# Altium PCB 4th_main.PcbDoc (part 1 of 3)
Units mm, origin at the board's own origin, x right, y up, seen from the top; angles counter-clockwise.
Board outline 130 x 106.5 mm, 2 copper layers (Top Layer, Bottom Layer); 288 components, 276 nets, 1062 pads, 448 vias.
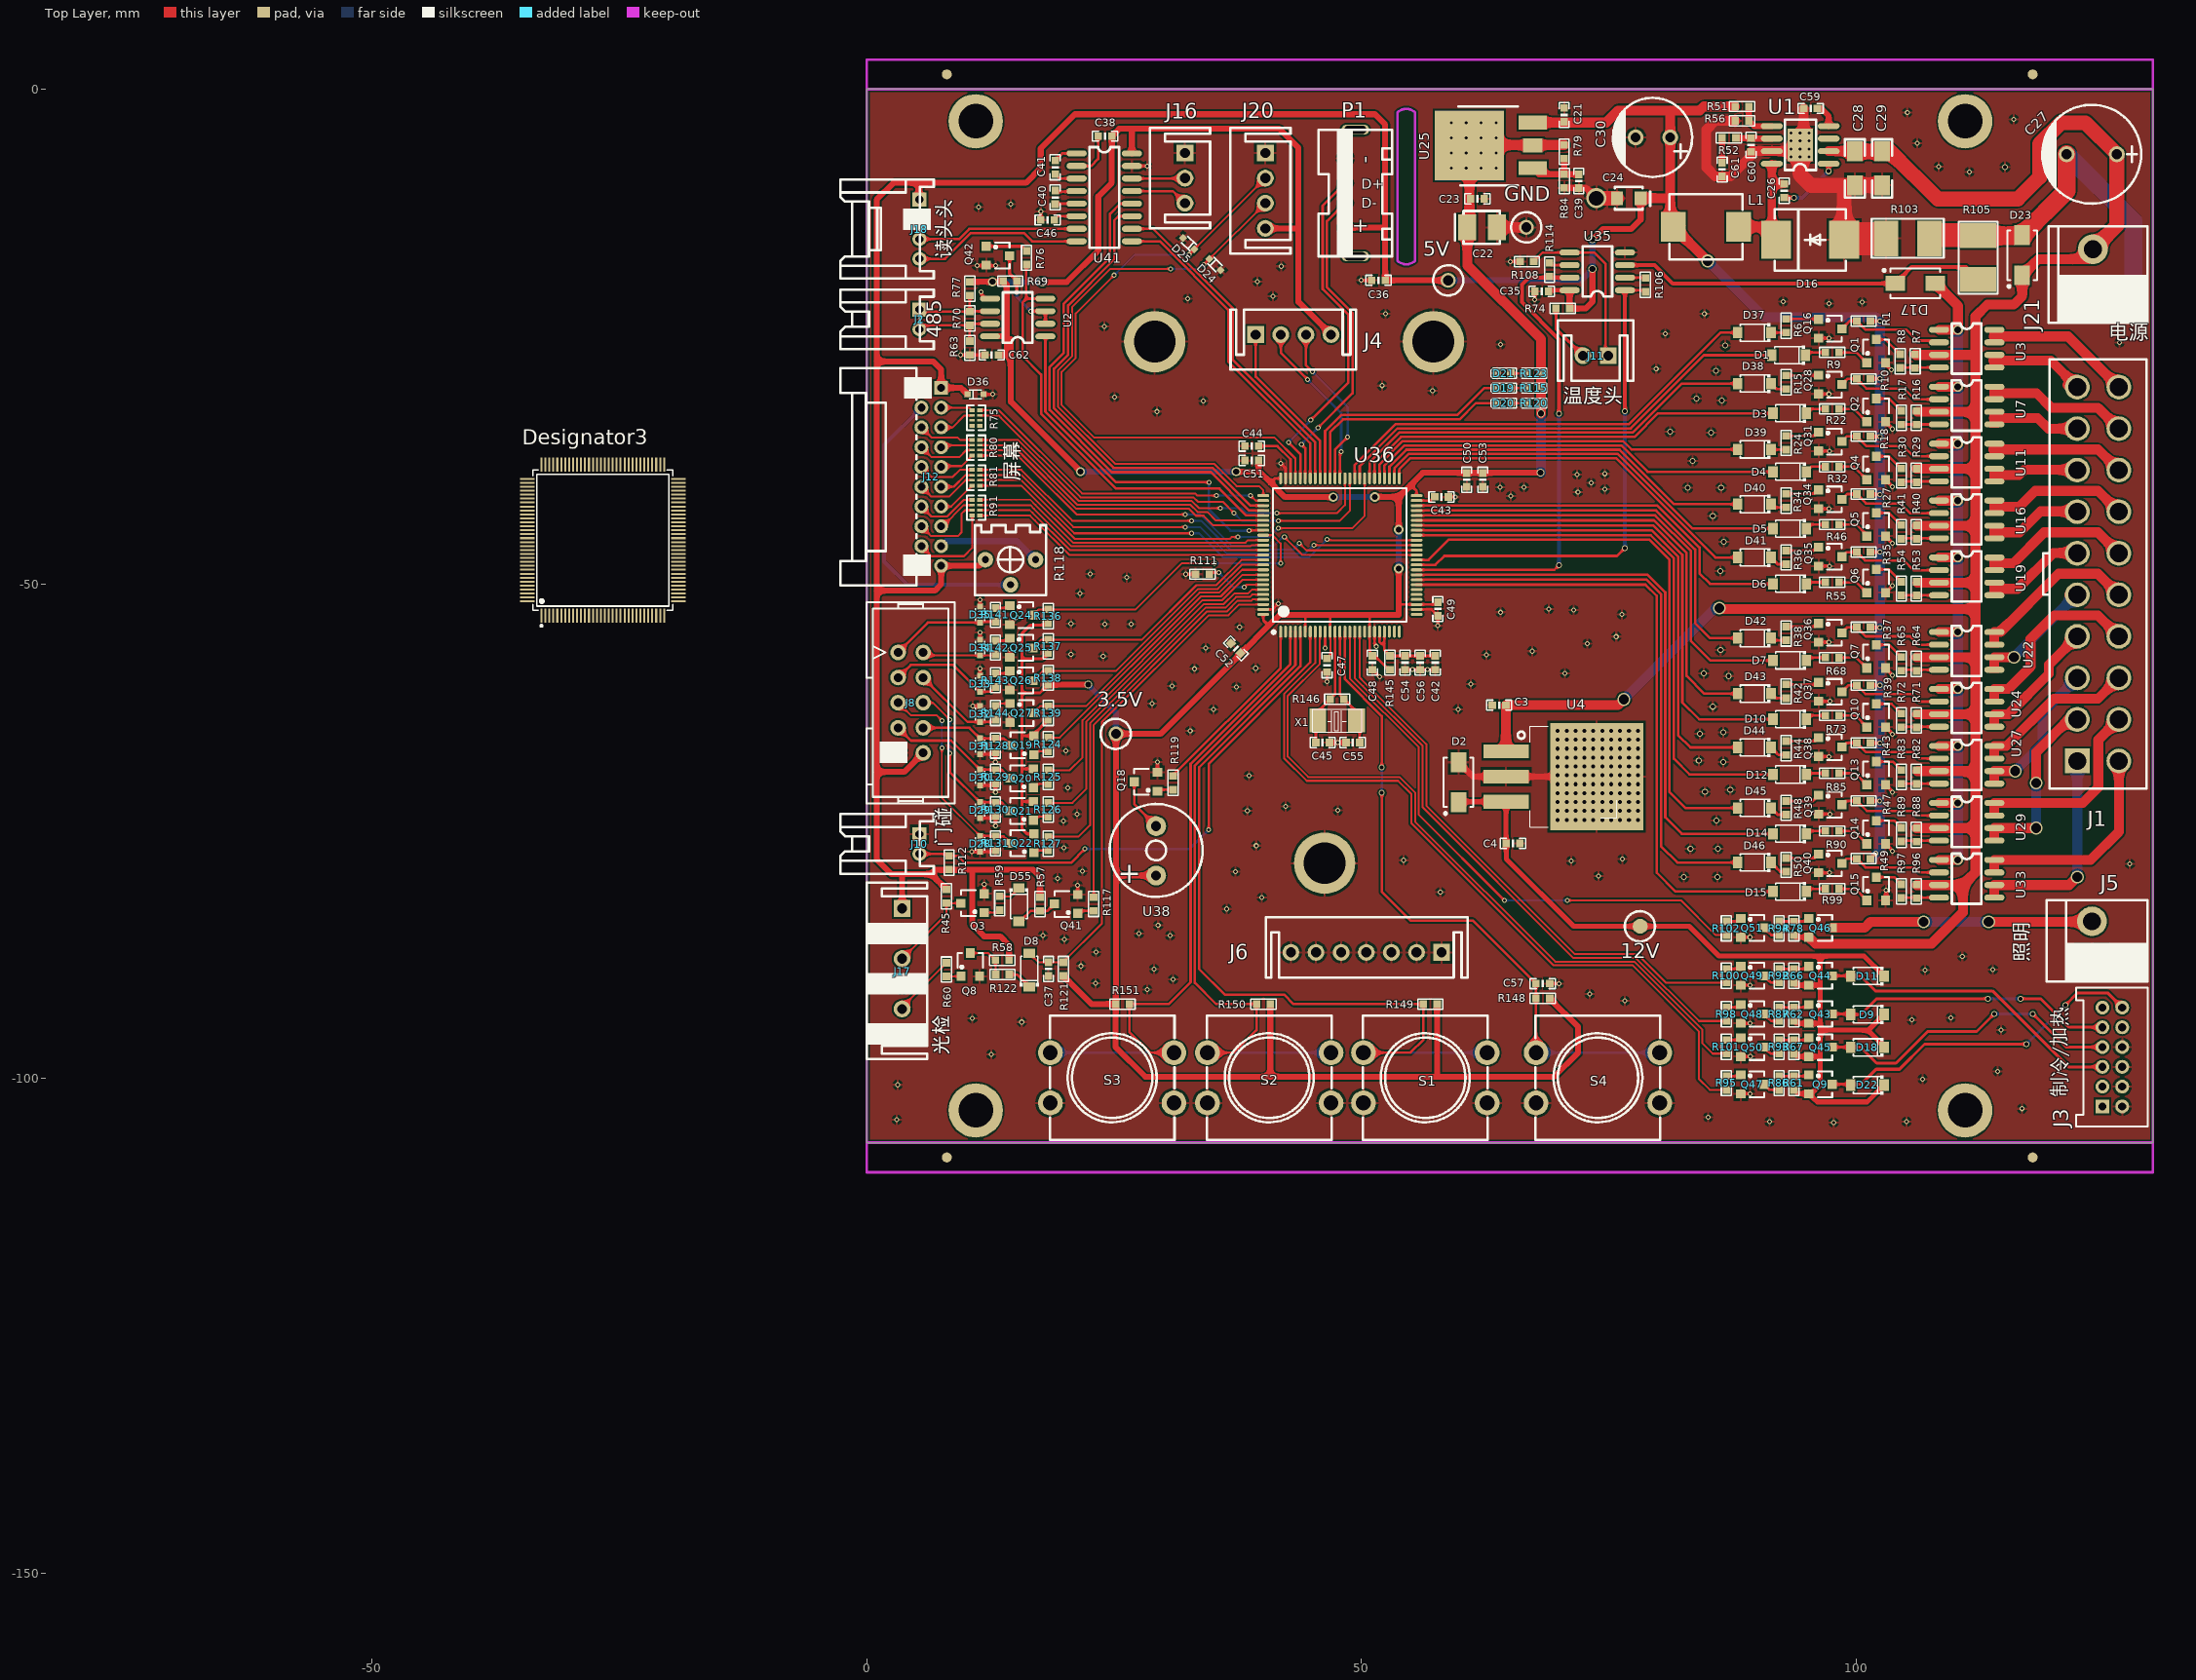
[diagram p0: Top Layer view]
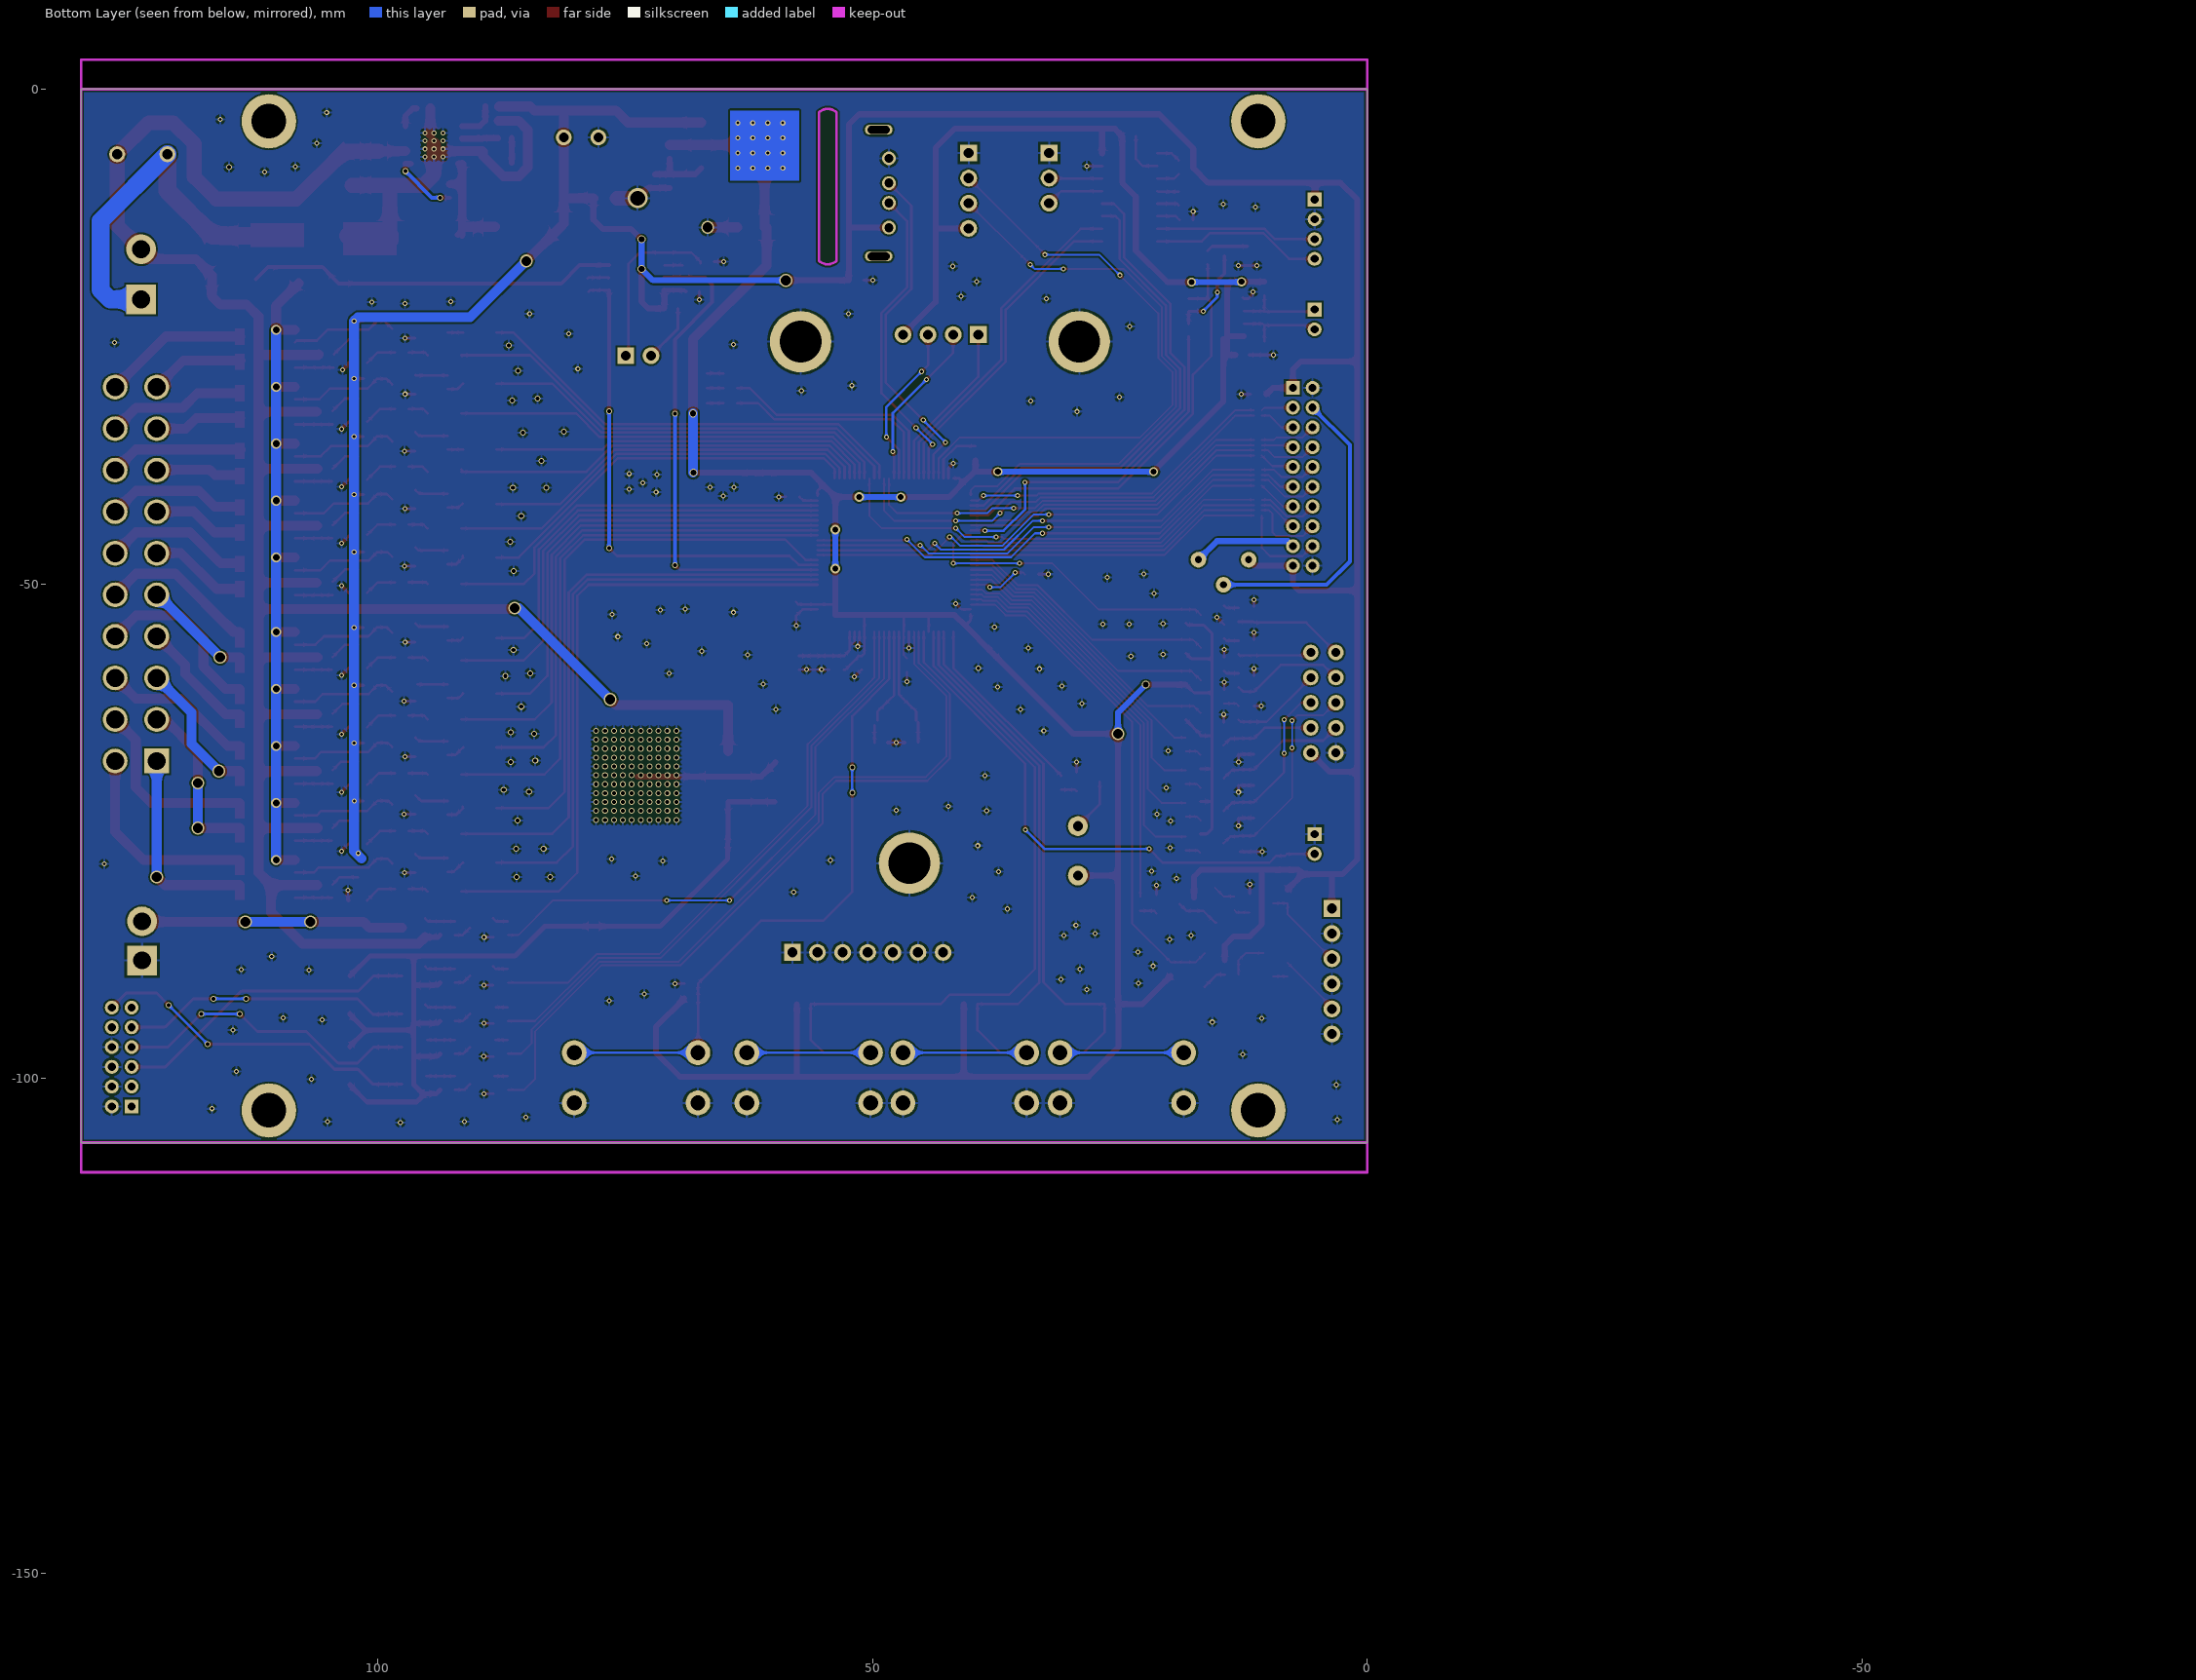
[diagram p1: Bottom Layer view, seen from below]

## Layer stack, top to bottom
Top Solder: solder mask 0.0102, Solder Resist, Dk 3.5
Top Layer: signal copper 0.0356
Dielectric 1: dielectric 0.32, FR-4, Dk 4.8
Bottom Layer: signal copper 0.0356
Bottom Solder: solder mask 0.0102, Solder Resist, Dk 3.5

## Board outline
0,-106.502 0,0 130,0 130,-106.502

## Design rules (kind name [scope] priority, off if disabled: settings)
Clearance [All] p1: gap=0.178
PolygonConnect [All] p1: connectstyle=Relief reliefconductorwidth=0.254 reliefentries=4 polygonreliefangle="90 Angle" airgapwidth=0.254
RoutingVias [All] p1: holewidth=0.3 width=0.5 viastyle="Through Hole" minholewidth=0.3 minwidth=0.5 maxholewidth=1.5 maxwidth=2
SolderMaskExpansion [All] p1: expansion=0.102
Width [All] p1: maxlimit=2.5 minlimit=0.178 preferedwidth=0.254
30 further rules are at their usual default settings.

## Components (designator, comment, footprint, x,y, rotation, side; value= is the part's Value field where it differs from the comment)
C3 "0.33UF/50V" 0603_C 63.906,-62.281 r180 top
C4 "100NF/50V" 0603_C 65.303,-76.251 r0 top
C21 "100NF/50V" 0603_C 70.479,-2.608 r90 top
C22 "150UF/6.3V" CASE-B_3528 60.681,-13.97 r180 top
C23 "100NF/50V" 0603_C 61.697,-11.074 r0 top
C24 "10UF/6.3V" CASE-A_3216 78.207,-11.024 r180 top
C26 "100NF/50V" 0603_C 92.719,-10.281 r90 top
C27 "470UF/35V" CAP-TH_BD10.0-P5.00-D1.0-FD 123.8,-6.579 r180 top
C28 "10UF/50V" 1206_C 99.856,-9.722 r90 top
C29 "10UF/50V" 1206_C 102.625,-9.722 r90 top
C30 "330UF/16V" CAP-TH_BD8.0-P3.50-D1.0-FD 79.451,-4.877 r180 top
C35 "100NF/50V" 0603_C 68.199,-20.447 r0 top
C36 "100NF/50V" 0603_C 51.703,-19.329 r180 top
C37 "100NF/50V" 0603_C 18.353,-88.951 r270 top
C38 "100NF/50V" 0603_C 24.068,-4.75 r180 top
C39 "5NF/50V" 0603_C 71.958,-9.296 r270 top
C40 "100NF/50V" 0603_C 19.036,-7.894 r270 top
C41 "100NF/50V" 0603_C 19.033,-10.942 r90 top
C42 "2.2uf/6.3V" 0603_C 57.438,-57.982 r270 top
C43 "2.2uf/6.3V" 0603_C 58.073,-41.218 r0 top
C44 "2.2uf/6.3V" 0603_C 38.902,-36.093 r180 top
C45 "22PF/50V" 0603_C 46.059,-66.06 r0 top
C46 "100NF/50V" 0603_C 18.271,-13.228 r180 top
C47 "100NF/50V" 0603_C 46.516,-58.236 r270 top
C48 "100NF/50V" 0603_C 51.088,-57.982 r270 top
C49 "100NF/50V" 0603_C 57.709,-52.553 r270 top
C50 "100NF/50V" 0603_C 60.63,-39.498 r270 top
C51 "100NF/50V" 0603_C 38.902,-37.541 r180 top
C52 "100NF/50V" 0603_C 37.287,-56.54 r135 top
C53 "4.7UF/10V" 0603_C 62.246,-39.498 r270 top
C54 "10NF/50V" 0603_C 54.39,-57.982 r270 top
C55 "22PF/50V" 0603_C 49.107,-66.06 r0 top
C56 "1UF/50V" 0603_C 55.914,-57.982 r270 top
C57 "10UF/6.3V" 0603_C 68.315,-90.424 r0 top
C59 "8.2NF/50V" 0603_C 95.386,-1.95 r180 top
C60 "10PF/50V" 0603_C 89.366,-5.633 r270 top
C61 "1NF/50V" 0603_C 86.445,-8.122 r270 top
C62 "100NF/50V" 0603_C 12.613,-26.873 r0 top
D1 "1N4148" SOD-123_L2.8-W1.8-LS3.7-RD 93.167,-26.899 r180 top
D2 "SMAJ12A" SMA/DO214AC#1 58.699,-69.774 r270 top
D3 "1N4148" SOD-123_L2.8-W1.8-LS3.7-RD 93.269,-32.766 r180 top
D4 "1N4148" SOD-123_L2.8-W1.8-LS3.7-RD 93.269,-38.684 r180 top
D5 "1N4148" SOD-123_L2.8-W1.8-LS3.7-RD 93.269,-44.425 r180 top
D6 "1N4148" SOD-123_L2.8-W1.8-LS3.7-RD 93.269,-50.013 r180 top
D7 "1N4148" SOD-123_L2.8-W1.8-LS3.7-RD 93.269,-57.754 r180 top
D8 "1N4148" SOD-123_L2.8-W1.8-LS3.7-RD 16.408,-89.052 r90 top
D9 "1N4148" SOD-123_L2.8-W1.8-LS3.7-RD 101.117,-93.548 r180 top
D10 "1N4148" SOD-123_L2.8-W1.8-LS3.7-RD 93.269,-63.697 r180 top
D11 "1N4148" SOD-123_L2.8-W1.8-LS3.7-RD 101.117,-89.662 r180 top
D12 "1N4148" SOD-123_L2.8-W1.8-LS3.7-RD 93.269,-69.285 r180 top
D14 "1N4148" SOD-123_L2.8-W1.8-LS3.7-RD 93.269,-75.28 r180 top
D15 "1N4148" SOD-123_L2.8-W1.8-LS3.7-RD 93.269,-81.122 r180 top
D16 "SK104" SMC/DO214AB 95.335,-15.234 r180 top
D17 "SS54" SMA/DO214AC#2 105.969,-19.634 r0 top
D18 "1N4148" SOD-123_L2.8-W1.8-LS3.7-RD 101.117,-96.876 r180 top
D19 "LED-蓝色" 0603_D 64.396,-30.225 r180 top
D20 "LED-黄色" 0603_D 64.396,-31.749 r180 top
D21 "LED-红色" 0603_D 64.396,-28.727 r180 top
D22 "1N4148" SOD-123_L2.8-W1.8-LS3.7-RD 101.117,-100.686 r180 top
D23 "SMAJ24A" SMA/DO214AC#2 116.764,-16.789 r90 top
D24 "PESDNC5D5VB" SOD-523 35.179,-17.729 r315 top
D25 "PESDNC5D5VB" SOD-523 32.537,-15.621 r135 top
D28 "PESDNC5D5VB" SOD-523 11.439,-76.296 r270 top
D29 "PESDNC5D5VB" SOD-523 11.439,-72.892 r270 top
D30 "PESDNC5D5VB" SOD-523 11.439,-69.59 r270 top
D31 "PESDNC5D5VB" SOD-523 11.439,-66.441 r270 top
D32 "PESDNC5D5VB" SOD-523 11.439,-63.164 r90 top
D33 "PESDNC5D5VB" SOD-523 11.439,-60.116 r90 top
D34 "PESDNC5D5VB" SOD-523 11.439,-56.458 r90 top
D35 "PESDNC5D5VB" SOD-523 11.439,-53.131 r90 top
D36 "PESDNC5D5VB" SOD-523 10.978,-30.857 r0 top
D37 "1N4148" SOD-123_L2.8-W1.8-LS3.7-RD 89.687,-24.613 r180 top
D38 "1N4148" SOD-123_L2.8-W1.8-LS3.7-RD 89.687,-29.763 r180 top
D39 "1N4148" SOD-123_L2.8-W1.8-LS3.7-RD 89.687,-36.424 r180 top
D40 "1N4148" SOD-123_L2.8-W1.8-LS3.7-RD 89.687,-41.961 r180 top
D41 "1N4148" SOD-123_L2.8-W1.8-LS3.7-RD 89.687,-47.346 r180 top
D42 "1N4148" SOD-123_L2.8-W1.8-LS3.7-RD 89.687,-55.499 r180 top
D43 "1N4148" SOD-123_L2.8-W1.8-LS3.7-RD 89.687,-61.112 r180 top
D44 "1N4148" SOD-123_L2.8-W1.8-LS3.7-RD 89.687,-66.548 r180 top
D45 "1N4148" SOD-123_L2.8-W1.8-LS3.7-RD 89.687,-72.669 r180 top
D46 "1N4148" SOD-123_L2.8-W1.8-LS3.7-RD 89.687,-78.181 r180 top
D55 "1N4148" SOD-123_L2.8-W1.8-LS3.7-RD 15.367,-82.448 r270 top
Designator3 "Comment" LQFP-128_L14.0-W14.0-P0.40-LS16.0-BL -26.695,-45.593 r0 top
J1 "DIP-2*10" 5557-2*10A 124.347,-32.029 r90 top
J2 "SIP-2" PHS-2AW 5.308,-24.282 r270 top
J3 "DIP-2*6" PHB-2*6A 124.882,-102.845 r90 top
J4 "SIP-4" XHB-4A#1 39.296,-24.812 r0 top locked
J5 "SIP-2" CH3.96-2A 123.826,-88.087 r90 top
J6 "SIP-7" XHB-7A 42.855,-87.27 r180 top locked
J8 "DIP-2*5" IDE-2*5A 4.423,-68.377 r270 top
J10 "SIP-2" PHS-2AW 5.308,-77.318 r270 top
J11 "SIP-2" XHB-2A 74.727,-26.949 r180 top
J12 "DIP-2*10" PHB-2*10AW 7.508,-30.195 r90 top
J16 "[NC]SIP-3" XHB-3A 32.145,-6.452 r270 top
J17 "SIP-6" XHB-6A 3.56,-82.829 r270 top
J18 "SIP-4" PHS-4AW 5.308,-15.158 r270 top
J20 "SIP-4" XHB-4A#2 39.867,-8.458 r270 top
J21 "SIP-2" CH5.08-2A 127.483,-17.323 r90 top
L1 "4.7UH/5A" IND-SMD_0630 84.819,-13.913 r180 top
P1 "USB" USB-180度-10mm超短 53.1,-12.598 r180 top
Q1 "BC817-40" SOT-23-3 102.015,-26.486 r0 top
Q2 "BC817-40" SOT-23-3 102.015,-32.455 r0 top
Q3 "BC817-40" SOT-23-3 10.682,-82.296 r90 top
Q4 "BC817-40" SOT-23-3 102.015,-38.297 r0 top
Q5 "BC817-40" SOT-23-3 102.015,-44.012 r0 top
Q6 "BC817-40" SOT-23-3 102.015,-49.727 r0 top
Q7 "BC817-40" SOT-23-3 102.015,-57.347 r0 top
Q8 "BC817-40" SOT-23-3 10.454,-88.519 r0 top
Q9 "AO3401" SOT-23-3 96.393,-100.609 r270 top
Q10 "BC817-40" SOT-23-3 102.015,-63.316 r0 top
Q13 "BC817-40" SOT-23-3 102.015,-69.158 r0 top
Q14 "BC817-40" SOT-23-3 102.015,-75.127 r0 top
Q15 "BC817-40" SOT-23-3 102.015,-80.842 r0 top
Q16 "BC817-40" SOT-23-3 97.367,-24.226 r270 top
Q18 "SS8050" SOT-23-3 28.194,-70.028 r90 top
Q19 "S8550" SOT-23-3 15.691,-66.339 r90 top
Q20 "S8550" SOT-23-3 15.655,-69.666 r90 top
Q21 "S8550" SOT-23-3 15.655,-72.968 r90 top
Q22 "S8550" SOT-23-3 15.691,-76.245 r90 top
Q24 "SS8050" SOT-23-3 15.619,-53.182 r270 top
Q25 "SS8050" SOT-23-3 15.619,-56.484 r270 top
Q26 "SS8050" SOT-23-3 15.619,-59.786 r270 top
Q27 "SS8050" SOT-23-3 15.655,-63.062 r270 top
Q28 "BC817-40" SOT-23-3 97.367,-29.865 r270 top
Q31 "BC817-40" SOT-23-3 97.367,-35.63 r270 top
Q34 "BC817-40" SOT-23-3 97.367,-41.472 r270 top
Q35 "BC817-40" SOT-23-3 97.367,-47.264 r270 top
Q36 "BC817-40" SOT-23-3 97.367,-54.96 r270 top
Q37 "BC817-40" SOT-23-3 97.367,-60.929 r270 top
Q38 "BC817-40" SOT-23-3 97.367,-66.517 r270 top
Q39 "BC817-40" SOT-23-3 97.367,-72.333 r270 top
Q40 "BC817-40" SOT-23-3 97.367,-78.277 r270 top
Q41 "BC817-40" SOT-23-3 20.131,-82.372 r90 top
Q42 "SS8050" SOT-23-3 13.242,-16.834 r270 top
Q43 "AO3401" SOT-23-3 96.393,-93.497 r270 top
Q44 "AO3401" SOT-23-3 96.393,-89.637 r270 top
Q45 "AO3401" SOT-23-3 96.393,-96.85 r270 top
Q46 "AO3401" SOT-23-3 96.393,-84.785 r270 top
Q47 "BC817-40" SOT-23-3 89.51,-100.609 r270 top
Q48 "BC817-40" SOT-23-3 89.51,-93.497 r270 top
Q49 "BC817-40" SOT-23-3 89.51,-89.637 r270 top
Q50 "BC817-40" SOT-23-3 89.51,-96.85 r270 top
Q51 "BC817-40" SOT-23-3 89.51,-84.785 r270 top
R1 "10KΩ/1%" 0603_R 100.745,-23.438 r180 top
R6 "10KΩ/1%" 0603_R 92.922,-23.921 r90 top
R7 "10KΩ/1%" 0603_R 105.952,-27.502 r270 top
R8 "10KΩ/1%" 0603_R 104.428,-27.502 r90 top
R9 "10KΩ/1%" 0603_R 97.57,-26.613 r0 top
R10 "10KΩ/1%" 0603_R 100.745,-29.28 r180 top
R15 "10KΩ/1%" 0603_R 92.922,-29.636 r90 top
R16 "10KΩ/1%" 0603_R 106.079,-33.217 r270 top
R17 "10KΩ/1%" 0603_R 104.555,-33.217 r90 top
R18 "10KΩ/1%" 0603_R 100.745,-35.097 r180 top
R22 "10KΩ/1%" 0603_R 97.57,-32.328 r0 top
R24 "10KΩ/1%" 0603_R 92.922,-35.757 r90 top
R27 "10KΩ/1%" 0603_R 100.745,-40.939 r180 top
R29 "10KΩ/1%" 0603_R 106.079,-39.059 r270 top
R30 "10KΩ/1%" 0603_R 104.555,-39.059 r90 top
R32 "10KΩ/1%" 0603_R 97.57,-38.17 r0 top
R34 "10KΩ/1%" 0603_R 92.922,-41.599 r90 top
R35 "10KΩ/1%" 0603_R 100.745,-46.805 r180 top
R36 "10KΩ/1%" 0603_R 92.922,-47.34 r90 top
R37 "10KΩ/1%" 0603_R 100.745,-54.401 r180 top
R38 "10KΩ/1%" 0603_R 92.922,-55.036 r90 top
R39 "10KΩ/1%" 0603_R 100.745,-60.267 r180 top
R40 "10KΩ/1%" 0603_R 106.079,-44.774 r270 top
R41 "10KΩ/1%" 0603_R 104.555,-44.774 r90 top
R42 "10KΩ/1%" 0603_R 92.922,-60.878 r90 top
R43 "10KΩ/1%" 0603_R 100.745,-66.085 r180 top
R44 "10KΩ/1%" 0603_R 92.922,-66.618 r90 top
R45 "10K" 0603_R 8.041,-81.61 r90 top
R46 "10KΩ/1%" 0603_R 97.57,-44.012 r0 top
R47 "10KΩ/1%" 0603_R 100.745,-71.952 r180 top